# Altium PCB M5_Display - copia.PcbDoc (part 1 of 2)
Units mil, origin at the board's own origin, x right, y up, seen from the top; angles counter-clockwise.
Board outline 2972.44 x 1771.65 mil, 4 copper layers (Top Layer, PWRS, GND, Bottom Layer), stack 61.19 mil thick; 166 components, 125 nets, 480 pads, 219 vias.
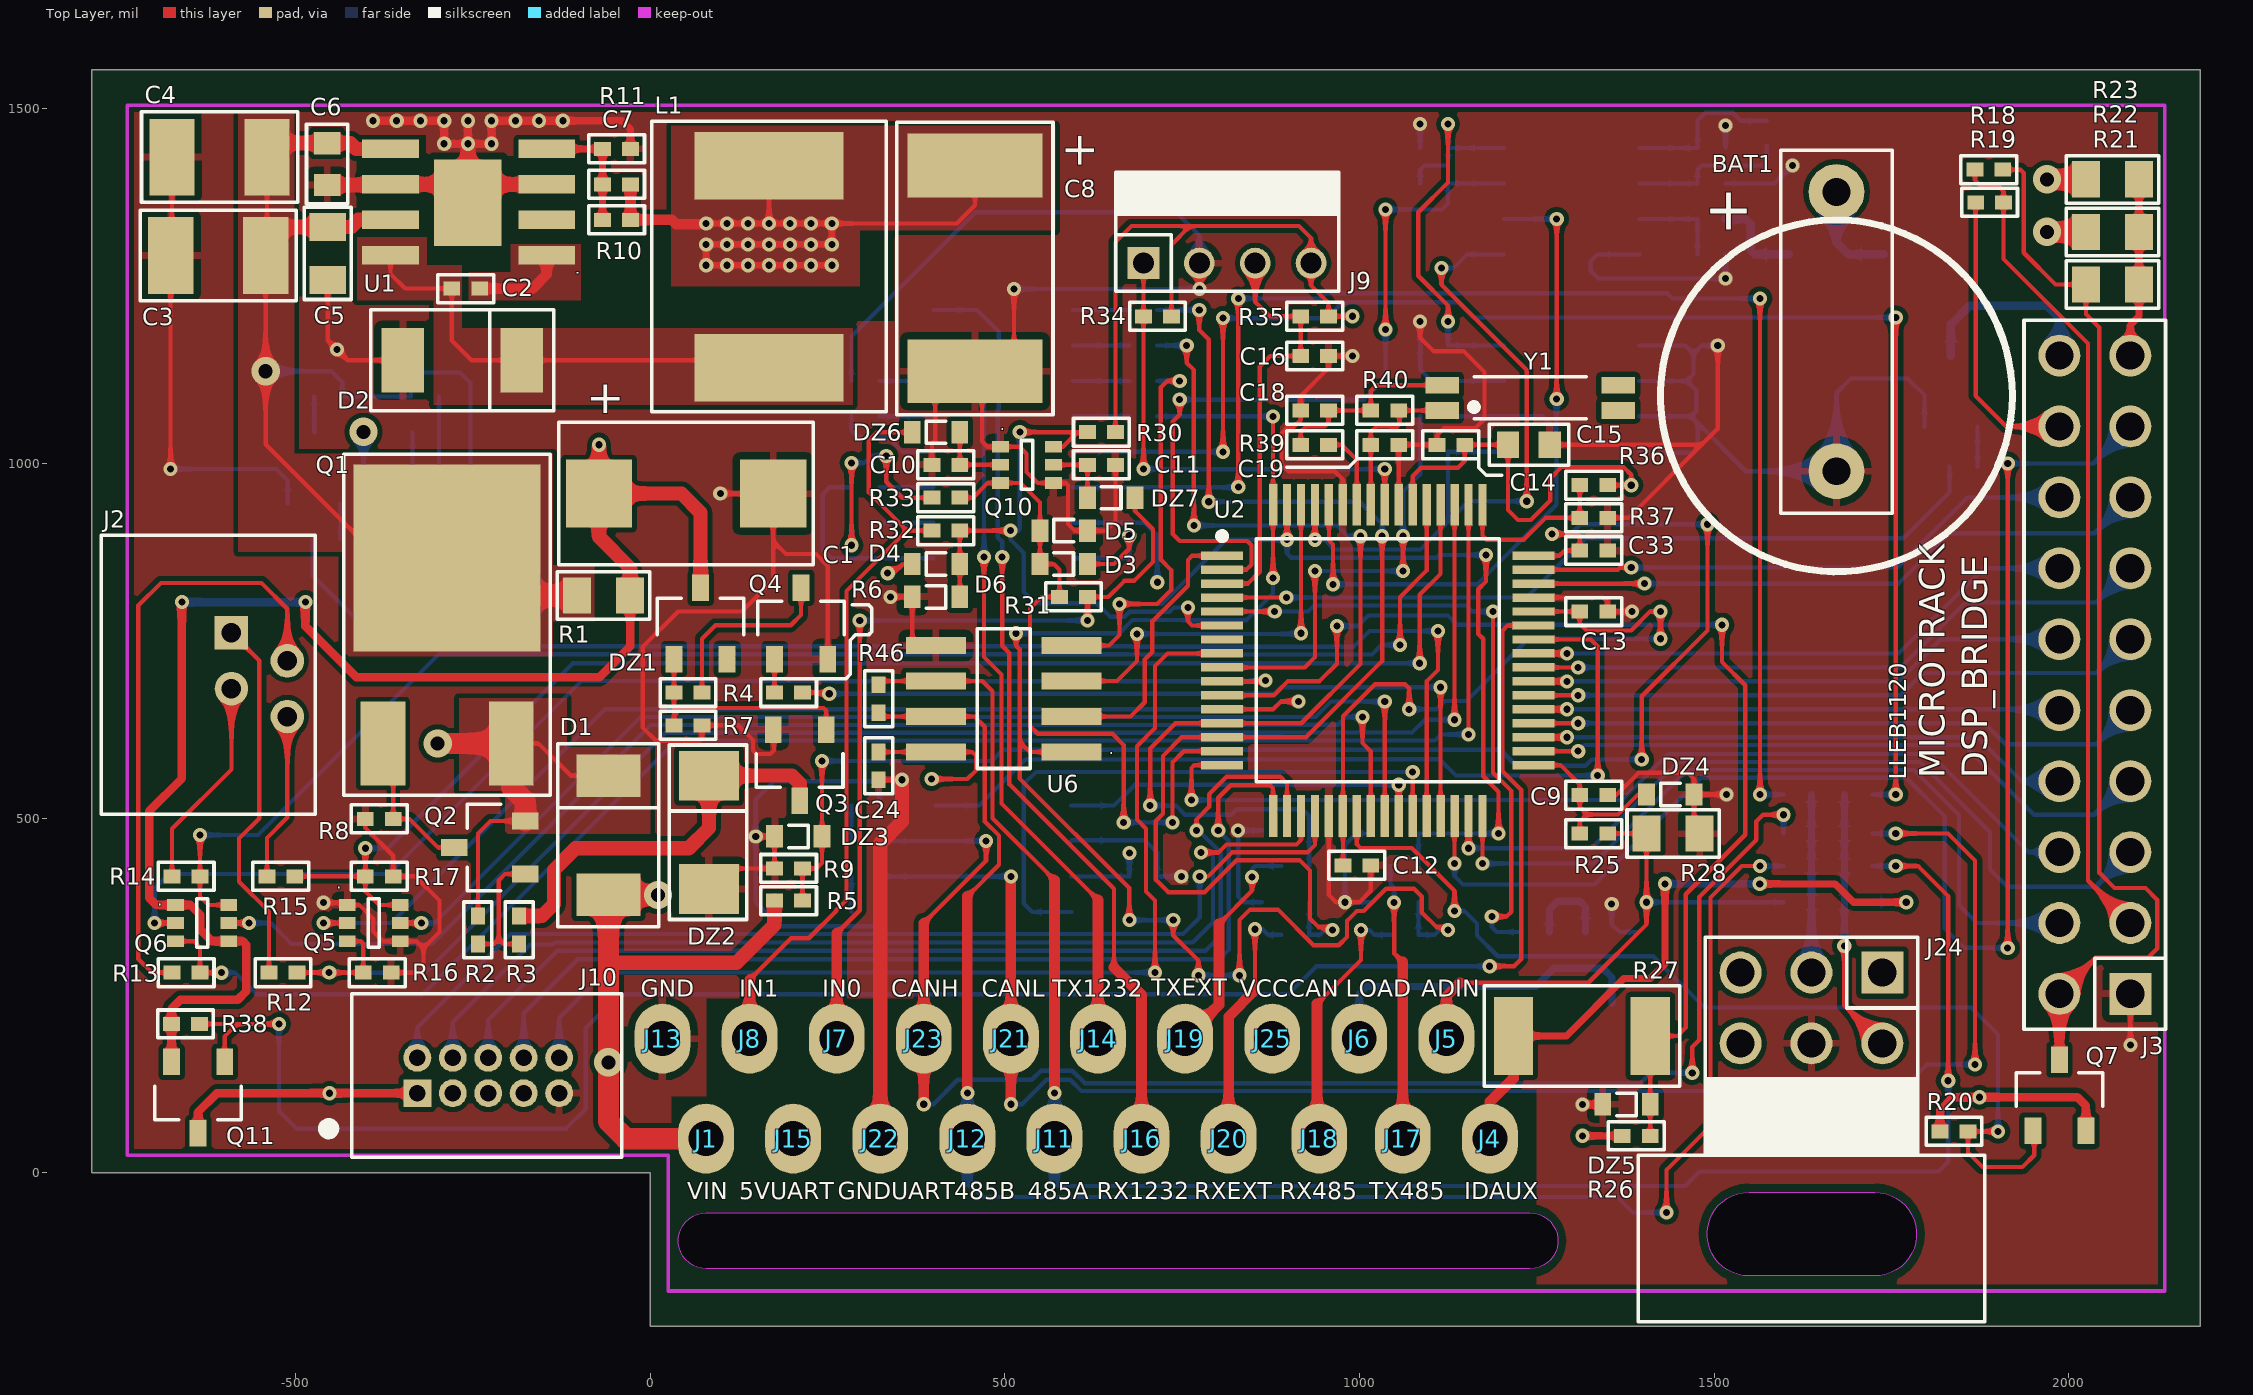
[diagram p0: Top Layer view]
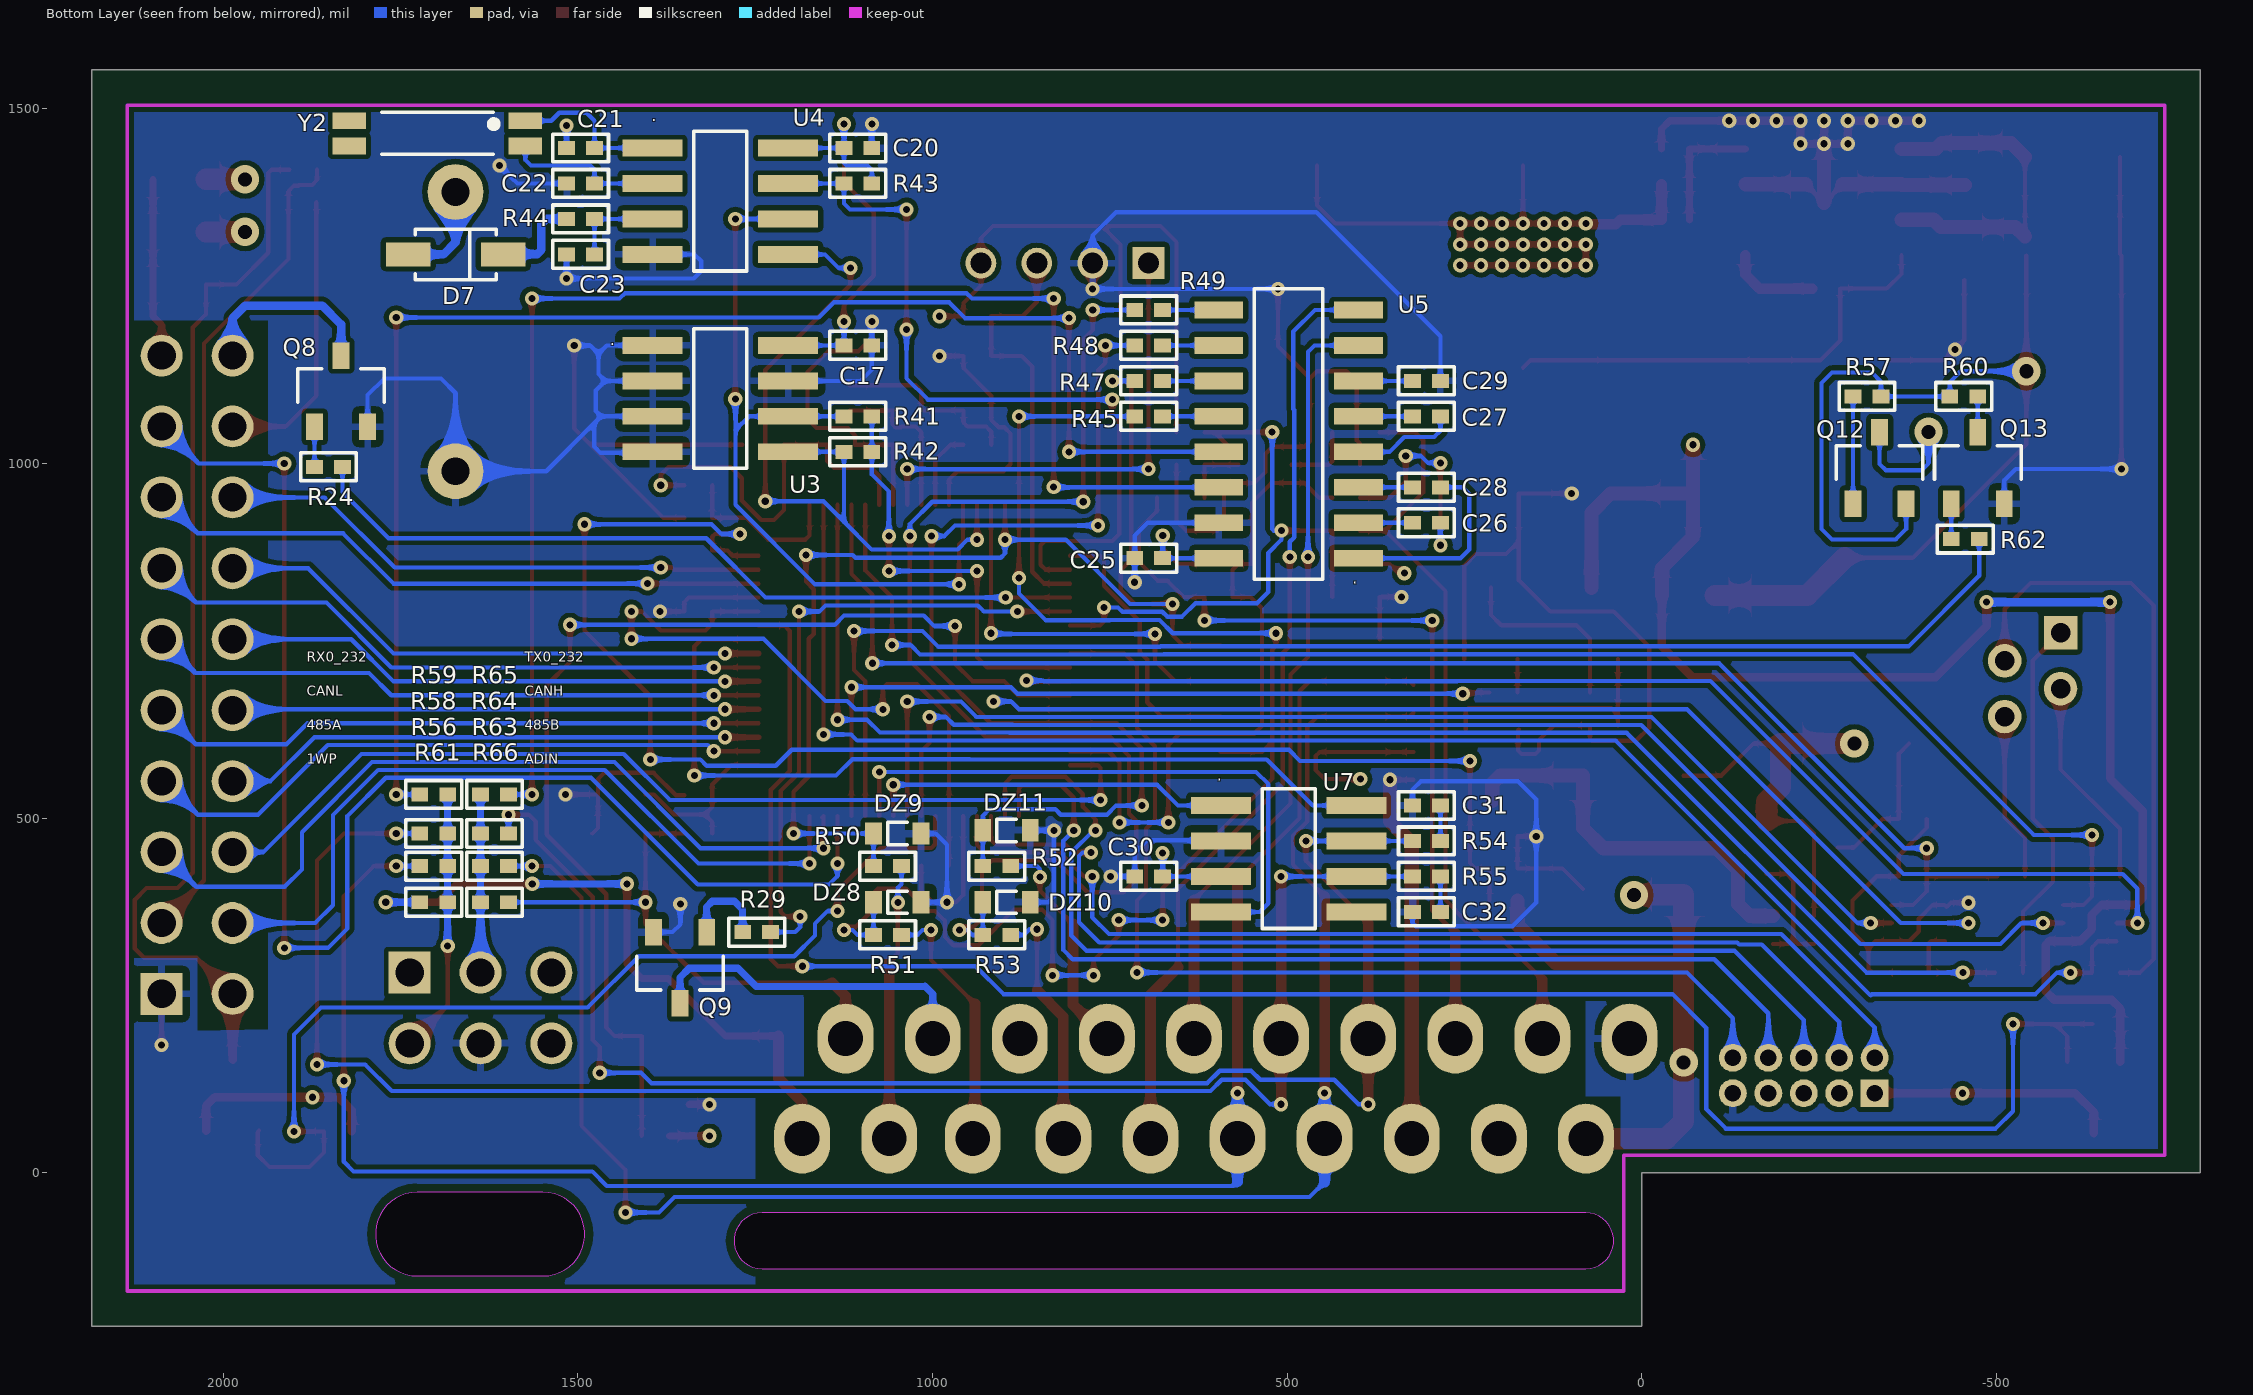
[diagram p1: Bottom Layer view, seen from below]
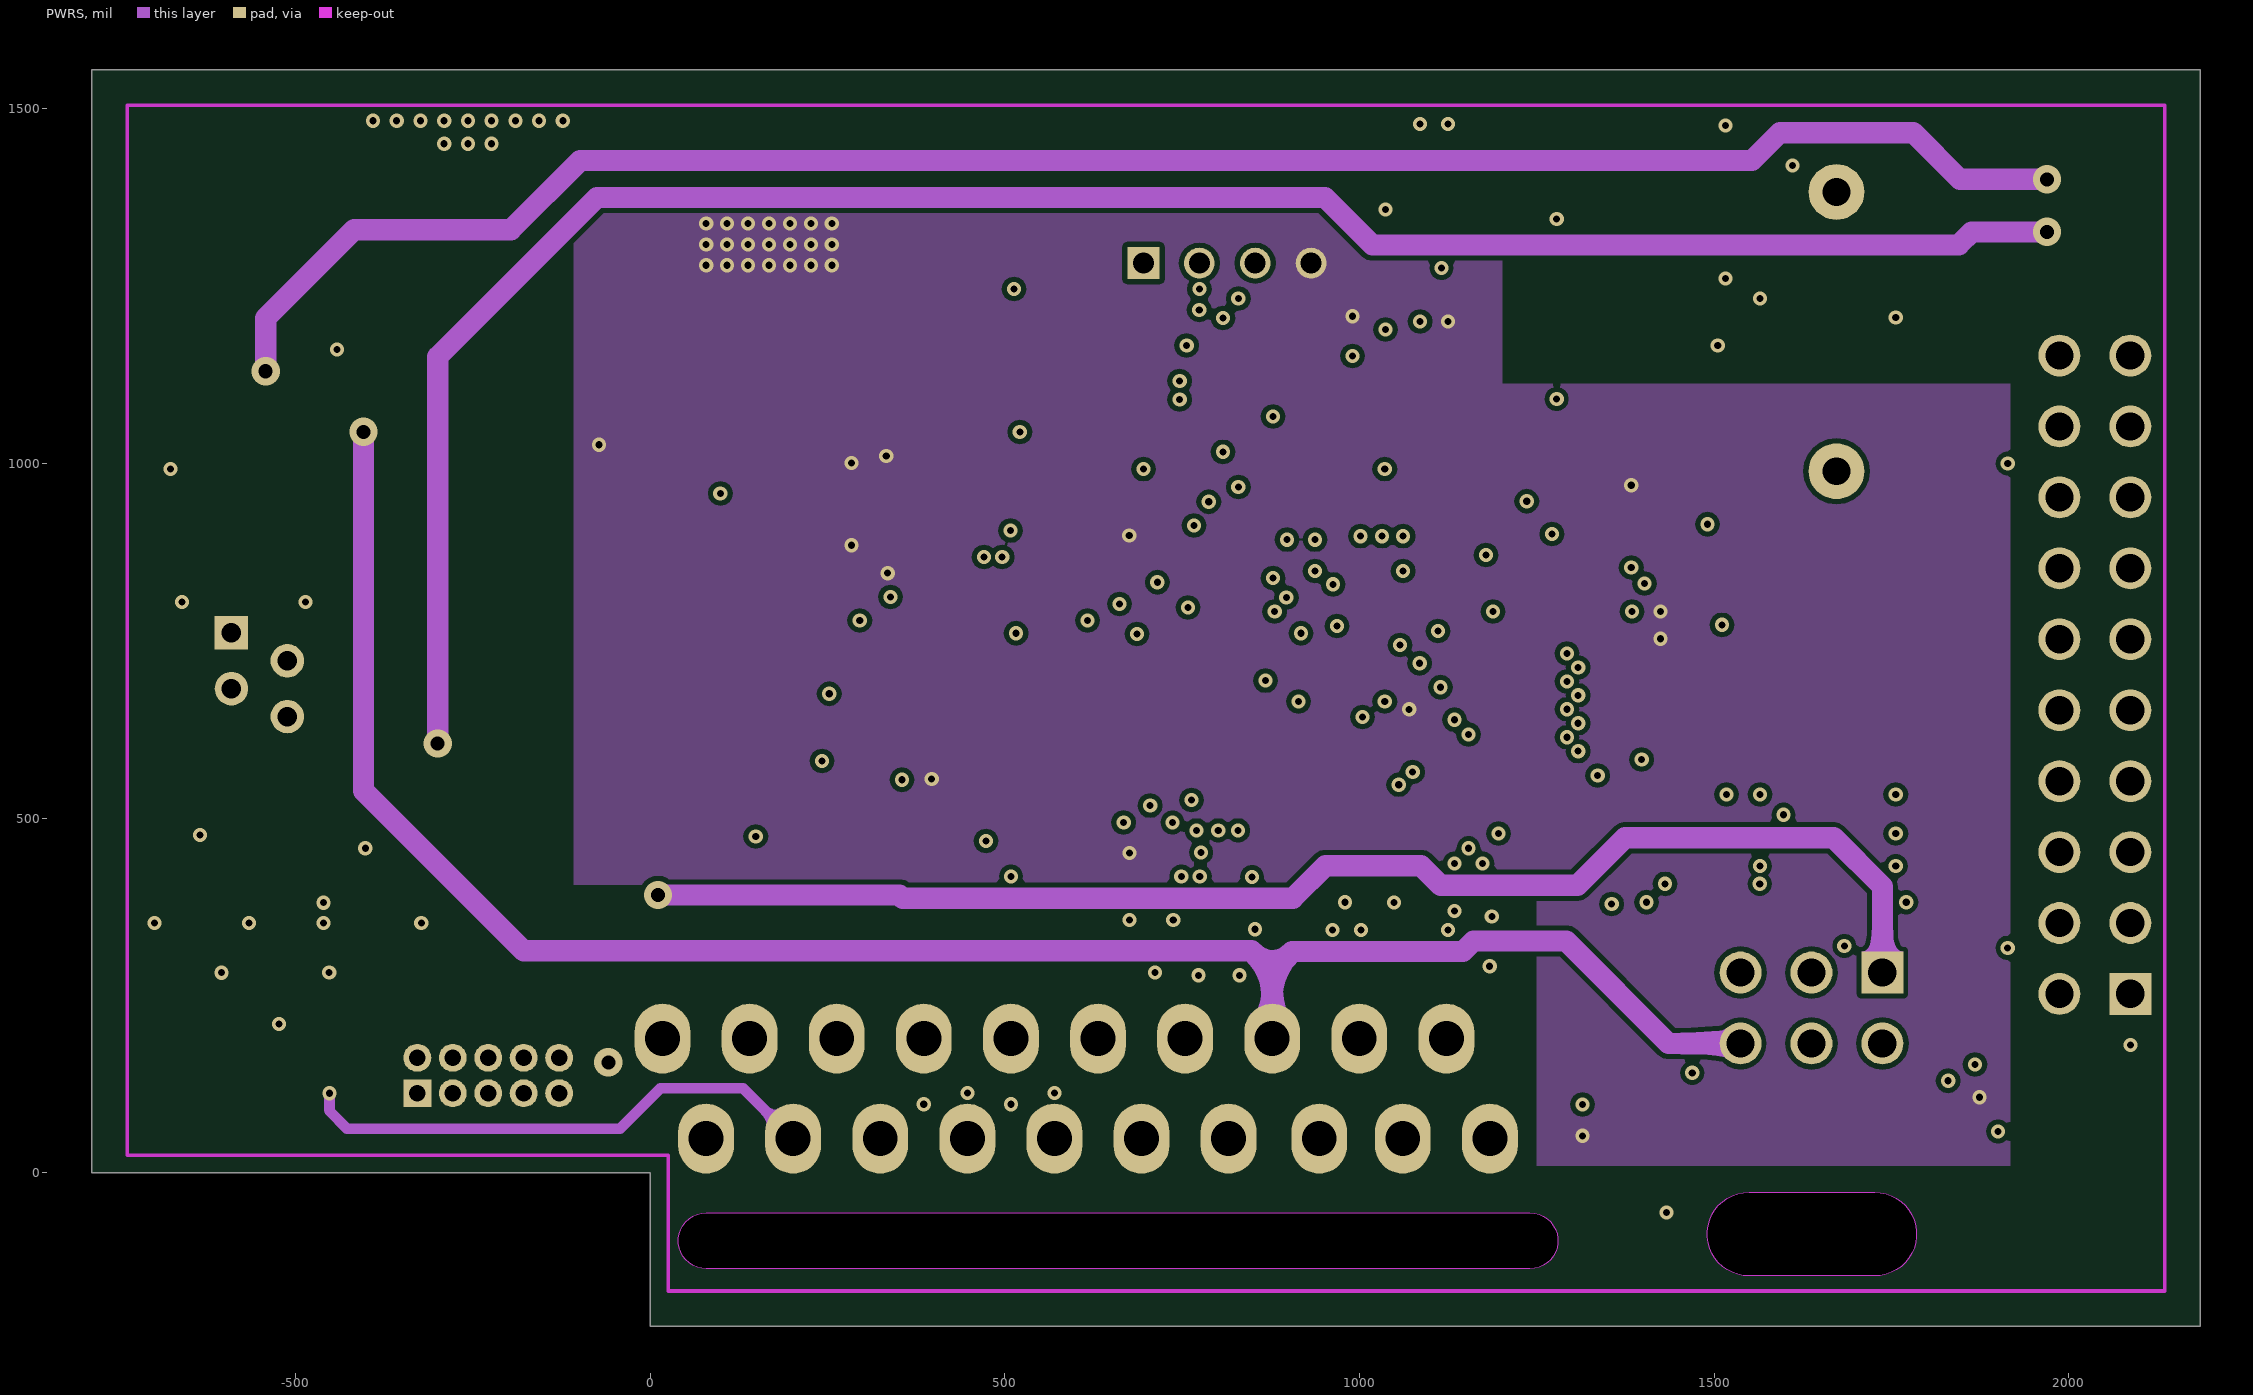
[diagram p2: PWRS]
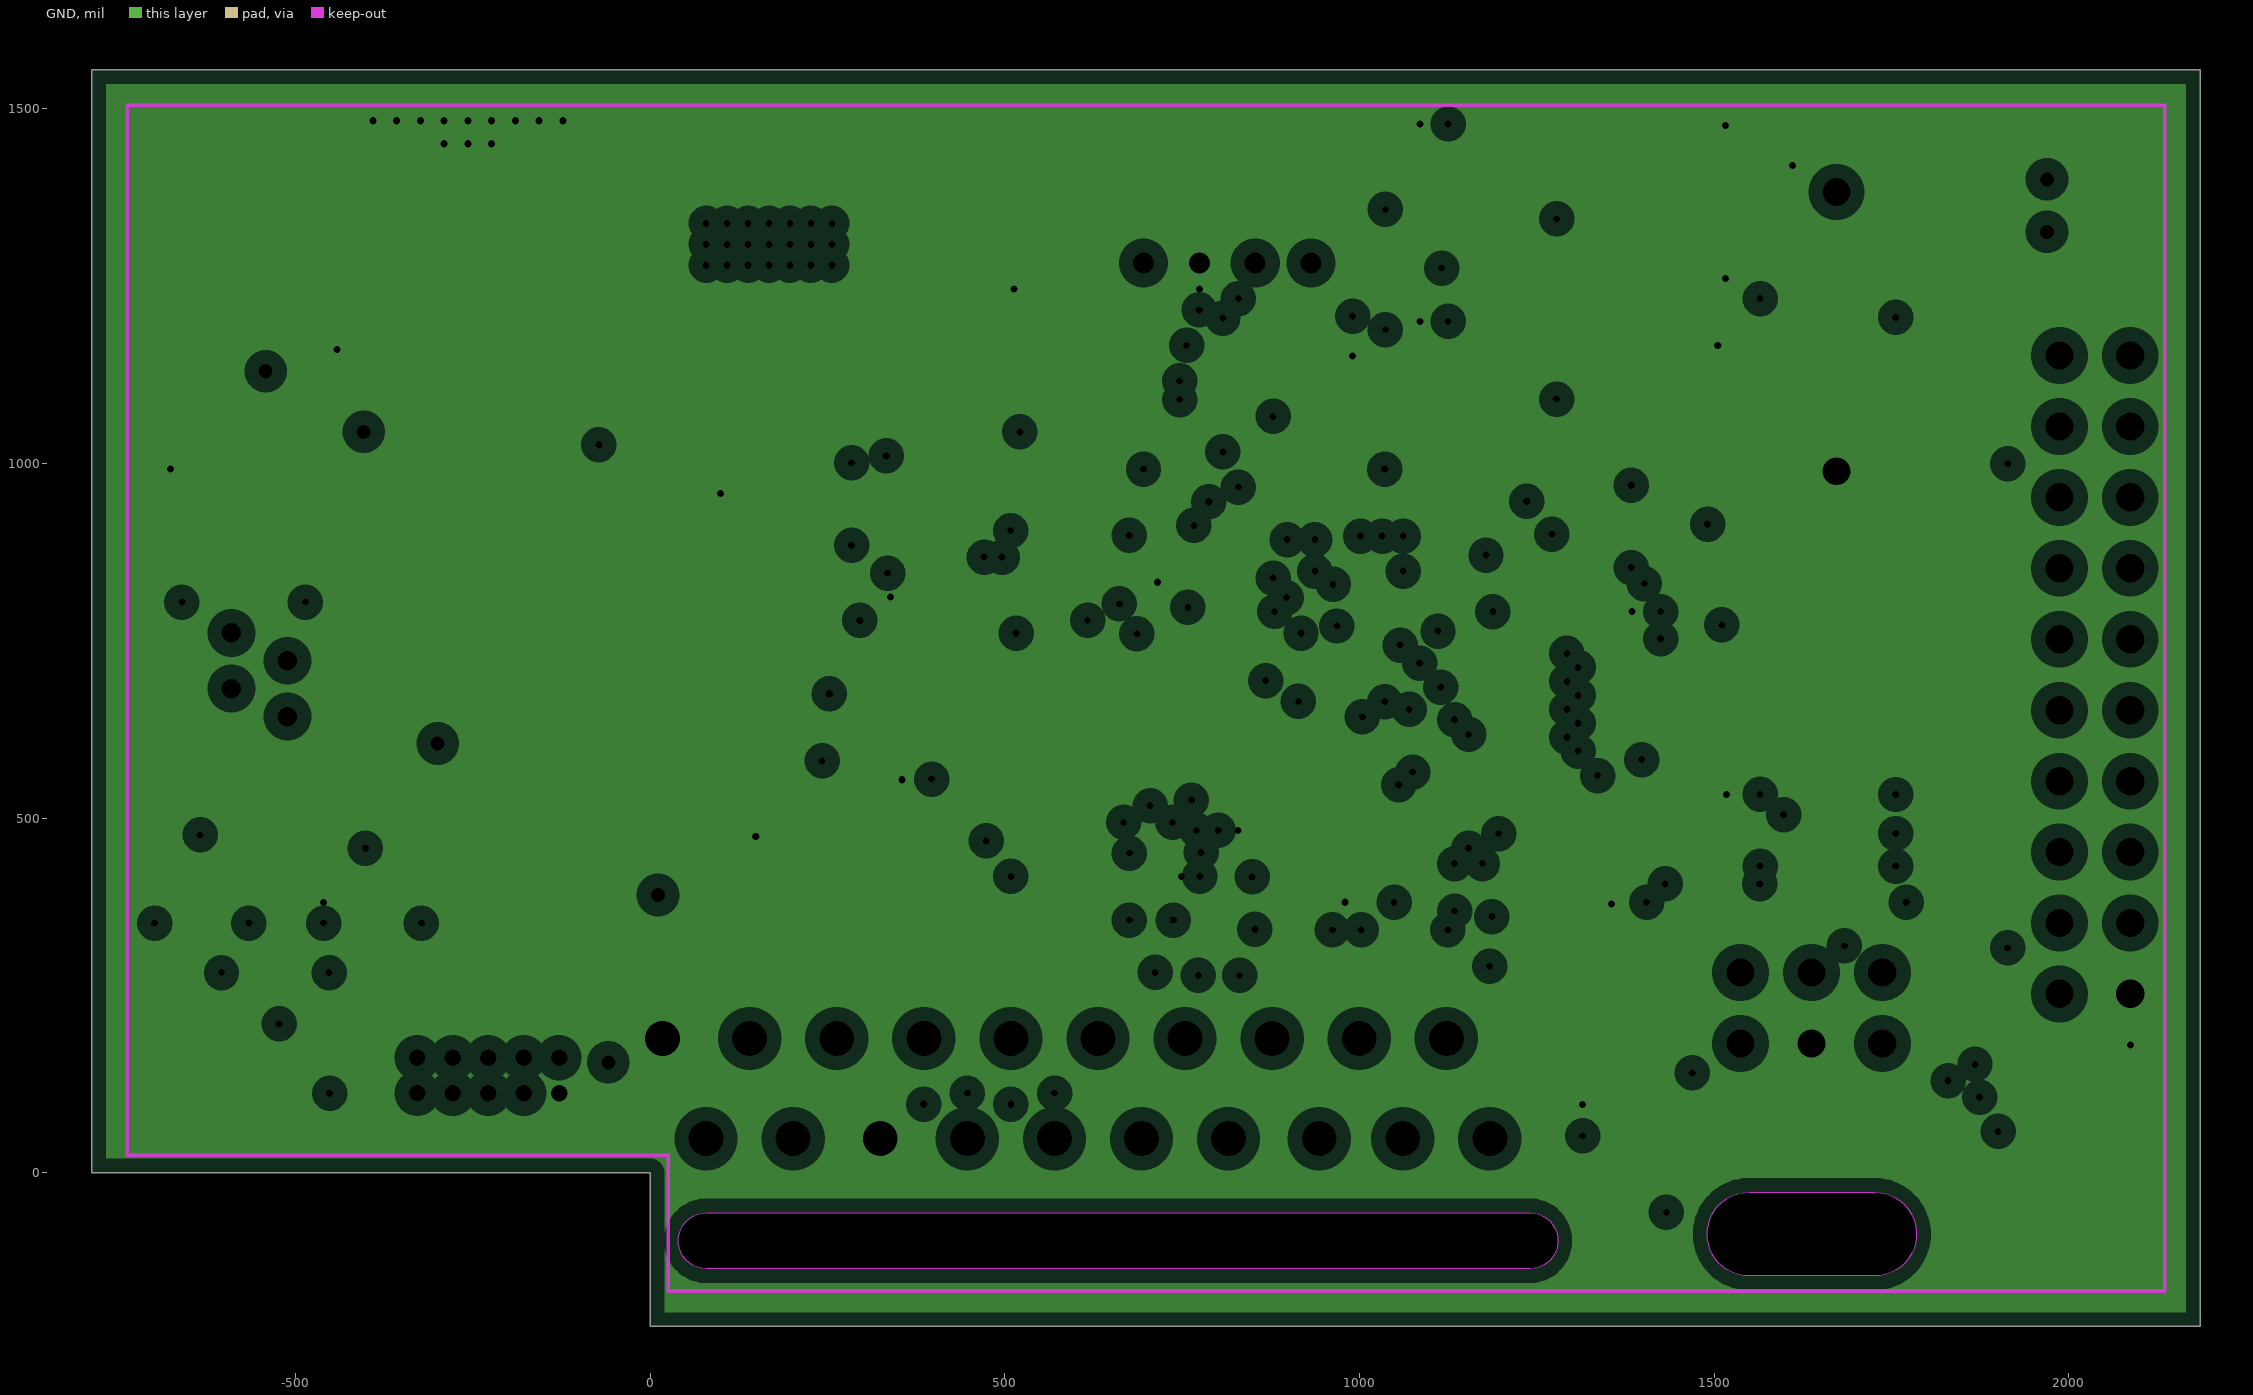
[diagram p3: GND, clearances drawn from the general rule]

## Layer stack, top to bottom
Top Solder: solder mask 0.4, Solder Resist, Dk 3.5
Top Layer: signal copper 1.4
Dielectric1: core 18.53, FR-4, Dk 4.8
PWRS: signal copper 1.4
Dielectric2: prepreg 18.53, FR-4, Dk 4.8
GND: plane copper 1.4, net GND
Dielectric6: core 18.53, FR-4, Dk 4.8
Bottom Layer: signal copper 1.4
Bottom Solder: solder mask 0.4, Solder Resist, Dk 3.5

## Board outline
-787.4,0 -787.4,1555.12 -787.36,1555.12 2185.04,1555.12 2185.04,-216.54 0,-216.54 0,0
cut-out: 1549,-145.35 cw(c1549,-86.29) 1549,-27.24 1726.17,-27.24 cw(c1726.17,-86.29) 1726.17,-145.35
cut-out: 78.74,-135.11 cw(c78.74,-95.74) 78.74,-56.37 1240.16,-56.37 cw(c1240.16,-95.74) 1240.16,-135.11
cut-out: 78.74,-135.11 cw(c78.74,-95.74) 78.74,-56.37 1240.16,-56.37 cw(c1240.16,-95.74) 1240.16,-135.11
cut-out: 1549,-145.35 cw(c1549,-86.29) 1549,-27.24 1726.17,-27.24 cw(c1726.17,-86.29) 1726.17,-145.35

## Design rules (kind name [scope] priority, off if disabled: settings)
Clearance TearDrops [IsRegion] p1: gap=7 ignorepadtopadclearanceinfootprint=FALSE except(0: Arc-Hole Track-Hole SMDPad-Hole THPad-Hole Via-Hole Fill-Hole Poly-Hole Region-Hole Text-Hole)
Clearance Polygon [InPolygon] p2: gap=15 ignorepadtopadclearanceinfootprint=FALSE except(0: Arc-Hole Track-Hole SMDPad-Hole THPad-Hole Via-Hole Fill-Hole Poly-Hole Region-Hole Text-Hole)
Clearance SOT363 [HasFootprint('SOT363')] p3: gap=3 ignorepadtopadclearanceinfootprint=FALSE except(0: Arc-Hole Track-Hole SMDPad-Hole THPad-Hole Via-Hole Fill-Hole Poly-Hole Region-Hole Text-Hole)
Clearance ClearanceLQFP64 [HasFootprint('LQFP64')] p4: gap=2 ignorepadtopadclearanceinfootprint=FALSE except(0: Arc-Hole Track-Hole SMDPad-Hole THPad-Hole Via-Hole Fill-Hole Poly-Hole Region-Hole Text-Hole)
Clearance [All] p5: gap=5 ignorepadtopadclearanceinfootprint=FALSE except(0: Arc-Hole Track-Hole SMDPad-Hole THPad-Hole Via-Hole Fill-Hole Poly-Hole Region-Hole Text-Hole)
MinimumSolderMaskSliver MinimumSolderMaskSliverLQFP64 [HasFootprint('LQFP64')] p1: minsoldermaskwidth=0
MinimumSolderMaskSliver [All] p2: minsoldermaskwidth=2
PlaneClearance [All] p1: clearance=20
PlaneConnect [All] p1: planeconnectstyle=Direct reliefexpansion=20 reliefentries=4 reliefconductorwidth=10 reliefairgap=10
PolygonConnect "Via Direct" [IsVia and (InNet('VIN_EXT') or InNet('VIN_PROT') or InNet('NetC2_1') or InNet('NetC2_2') or InNet('+5V'))] p1: connectstyle=Direct reliefconductorwidth=10 reliefentries=4 polygonreliefangle="90 Angle" airgapwidth=10
PolygonConnect PolygonDirect [InNet('VIN_EXT') or InNet('VIN_PROT') or InNet('NetC2_1') or InNet('NetC2_2') or (InNet('+5V'))] p2: connectstyle=Direct reliefconductorwidth=10 reliefentries=4 polygonreliefangle="45 Angle" airgapwidth=10
PolygonConnect Vias [IsVia] p3: connectstyle=Direct reliefconductorwidth=10 reliefentries=4 polygonreliefangle="90 Angle" airgapwidth=10
PolygonConnect [All] p4: connectstyle=Relief reliefconductorwidth=10 reliefentries=4 polygonreliefangle="90 Angle" airgapwidth=10
RoutingVias [All] p1: holewidth=13 width=26 viastyle="Through Hole" minholewidth=10 minwidth=20 maxholewidth=28 maxwidth=50
SilkToSilkClearance [All] p1: silktosilkclearance=5
SilkToSolderMaskClearance SilkscreenOverComponentPads [IsPad] p1: minsilkscreentomaskgap=4 clearancetoexposedcopper=TRUE
SolderMaskExpansion [All] p1: expansion=4
Width [All] p1: maxlimit=50 minlimit=6 preferedwidth=10
25 further rules are at their usual default settings.

## Classes and differential pairs
component class U_M5_Display_TOUCH: J2 Q5 Q6 R12 R13 R14 R15 R16 R17
component class U_M5_Display_PWR: C1 C2 C3 C4 C5 C6 C7 C8 C33 D1 D2 DZ1 DZ2 DZ3 J1 L1 Q1 Q2 Q3 Q4 R1 R2 R3 R4 R5 R6 R7 R8 R9 R10 R11 U1
component class U_M5_Display_GLCD: J3 Q7 Q8 R18 R19 R20 R21 R22 R23 R24
component class U_M5_Display_GPIO: C9 C10 C11 D3 D4 D5 D6 DZ4 DZ5 DZ6 DZ7 J4 J5 J6 J7 J8 Q9 Q10 R25 R26 R27 R28 R29 R30 R31 R32 R33
component class U_M5_Display_MCU: BAT1 C12 C13 C14 C15 C16 C17 C18 C19 C20 C21 C22 C23 D7 J9 J10 Q11 R34 R35 R36 R37 R38 R39 R40 R41 R42 R43 R44 U2 U3 U4 Y1 Y2
component class U_M5_Display_COMM: C24 C25 C26 C27 C28 C29 C30 C31 C32 DZ8 DZ9 DZ10 DZ11 J11 J12 J13 J14 J15 J16 J17 J18 J19 J20 J21 J22 J23 J24 J25 Q12 Q13 R45 R46 R47 R48 R49 R50 R51 R52 R53 R54 R55 R56 R57 R58 R59 R60 R61 R62 R63 R64 R65 R66 U5 U6 U7
